# Altium PCB Roborboard_v0.1.PcbDoc
Units mil, origin at the board's own origin, x right, y up, seen from the top; angles counter-clockwise.
Board outline 2175 x 1437.48 mil, 2 copper layers (Top Layer, Bottom Layer); 44 components, 56 nets, 220 pads, 74 vias.
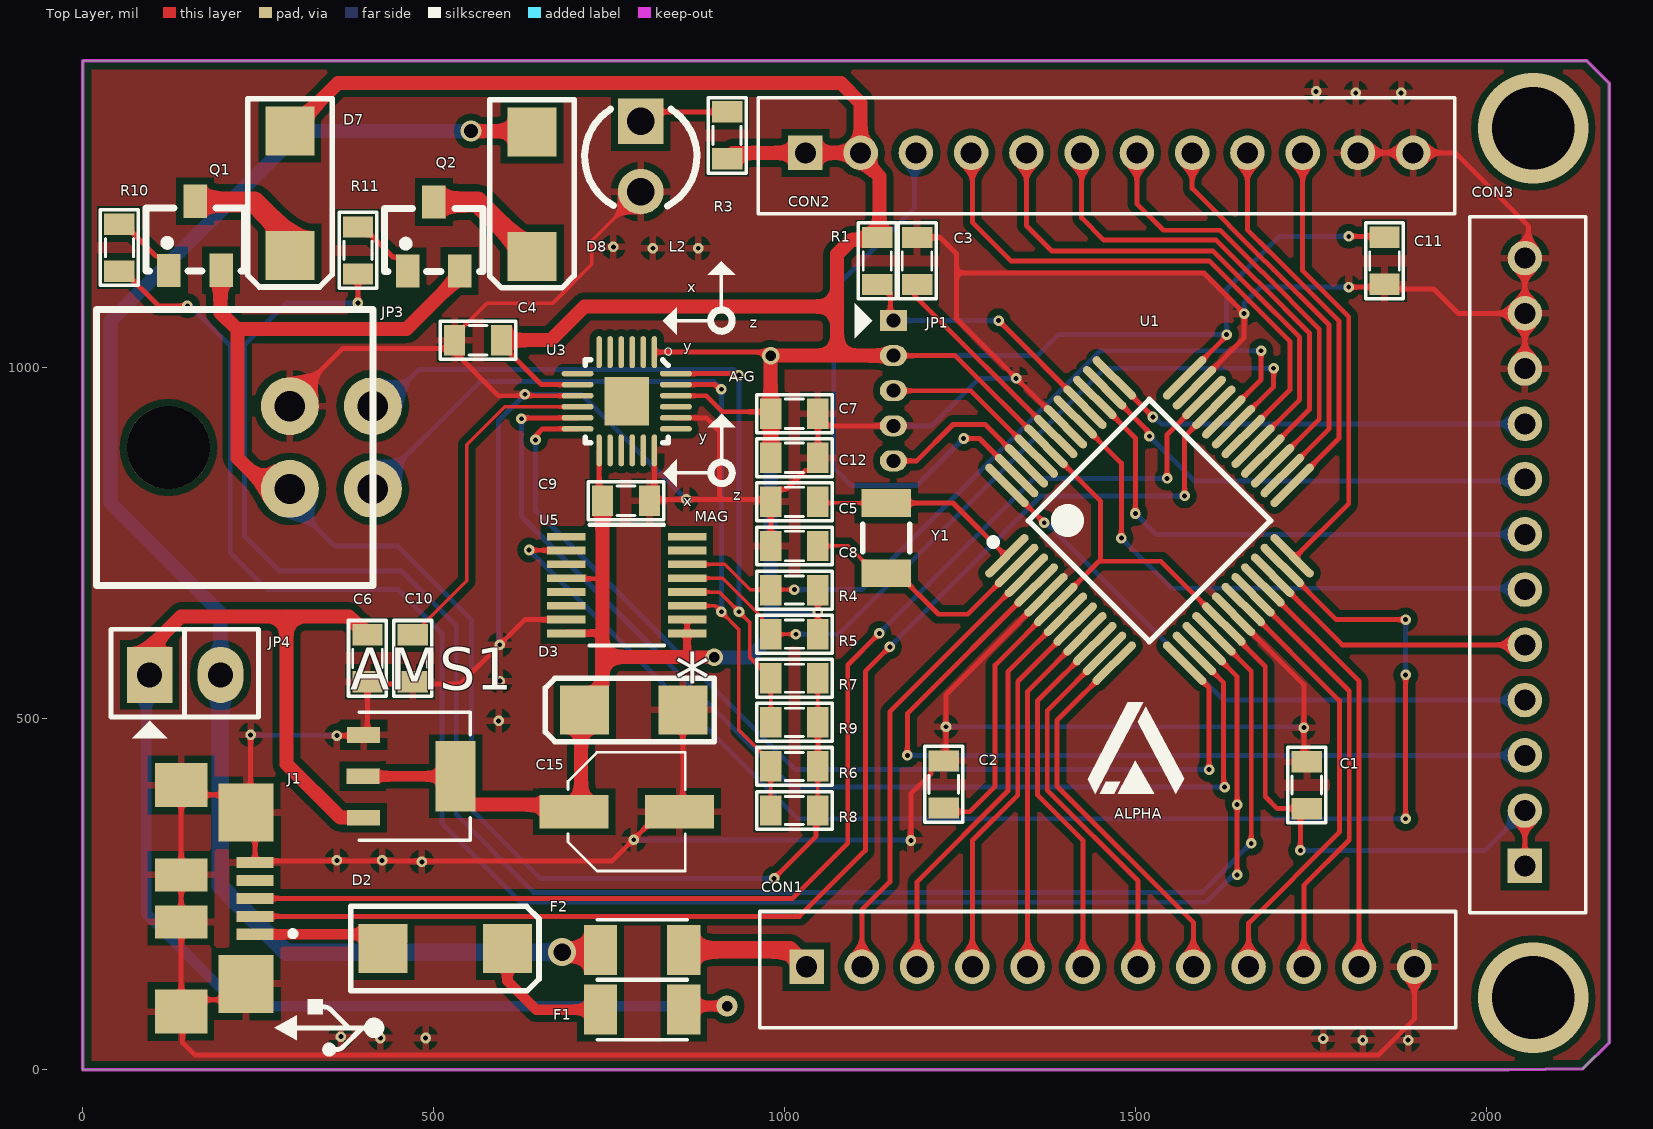
[diagram p0: Top Layer view]
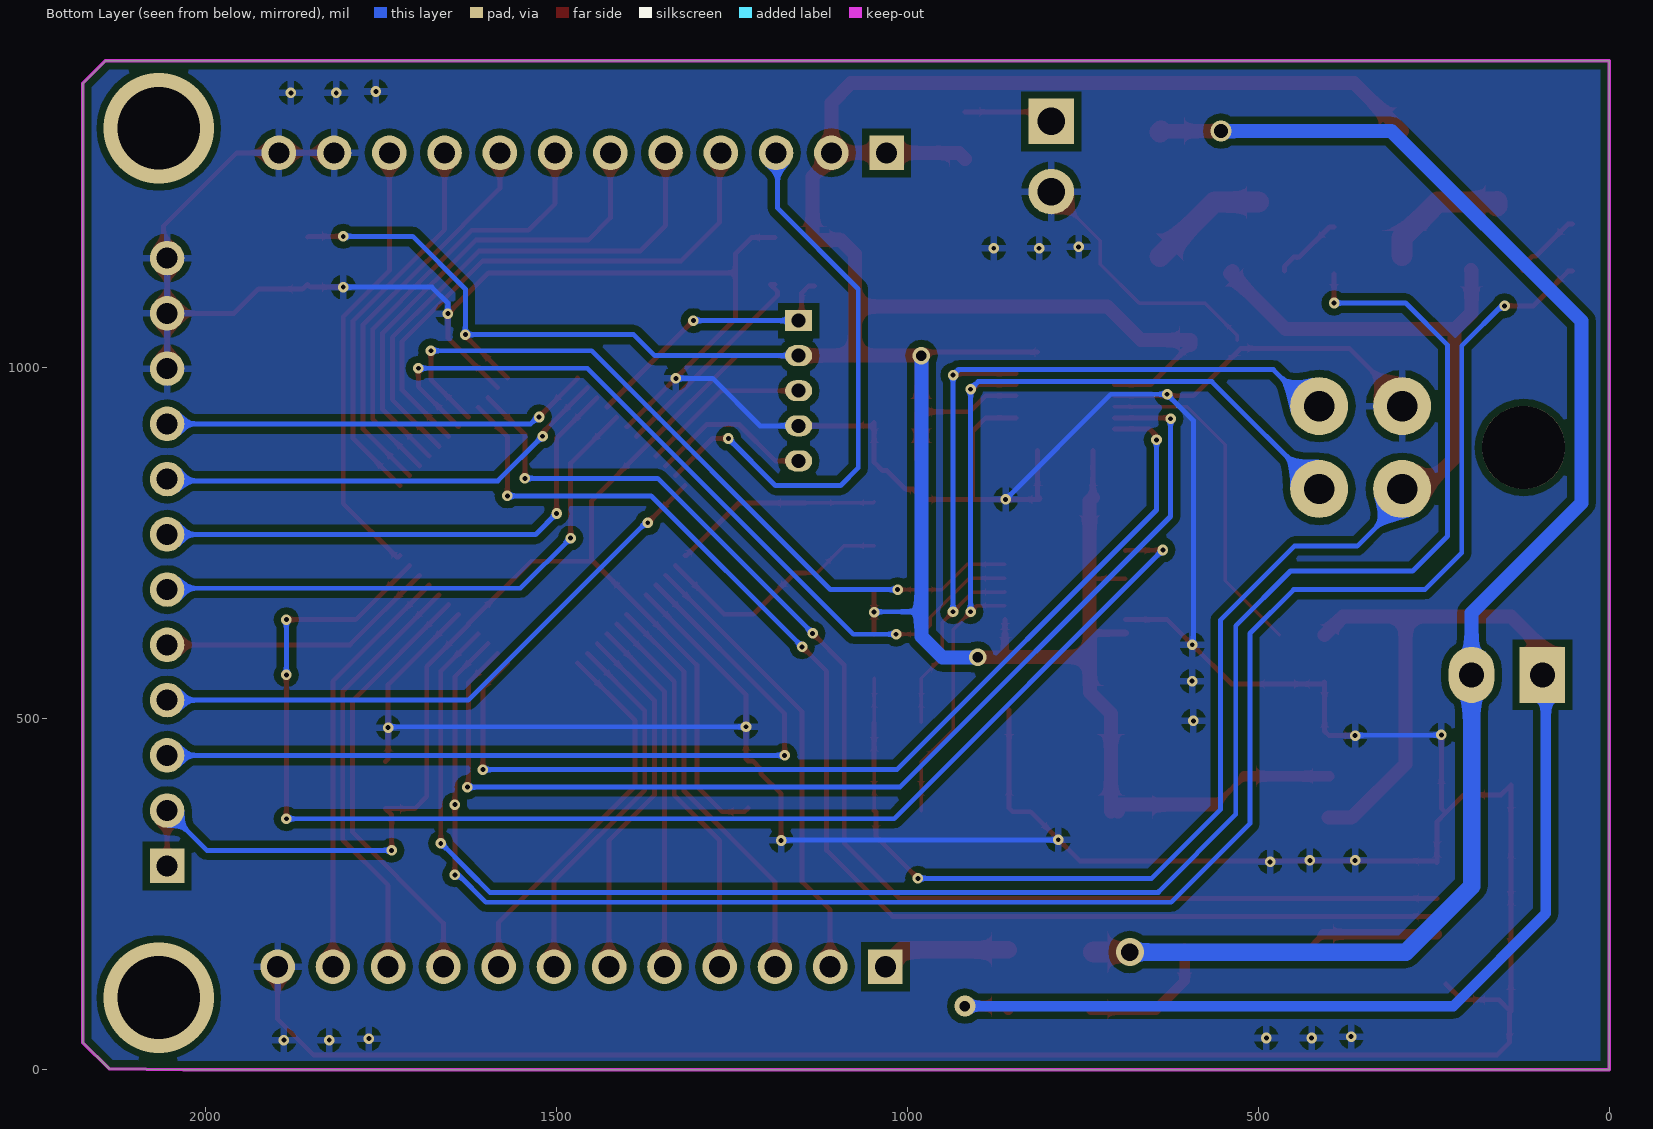
[diagram p1: Bottom Layer view, seen from below]
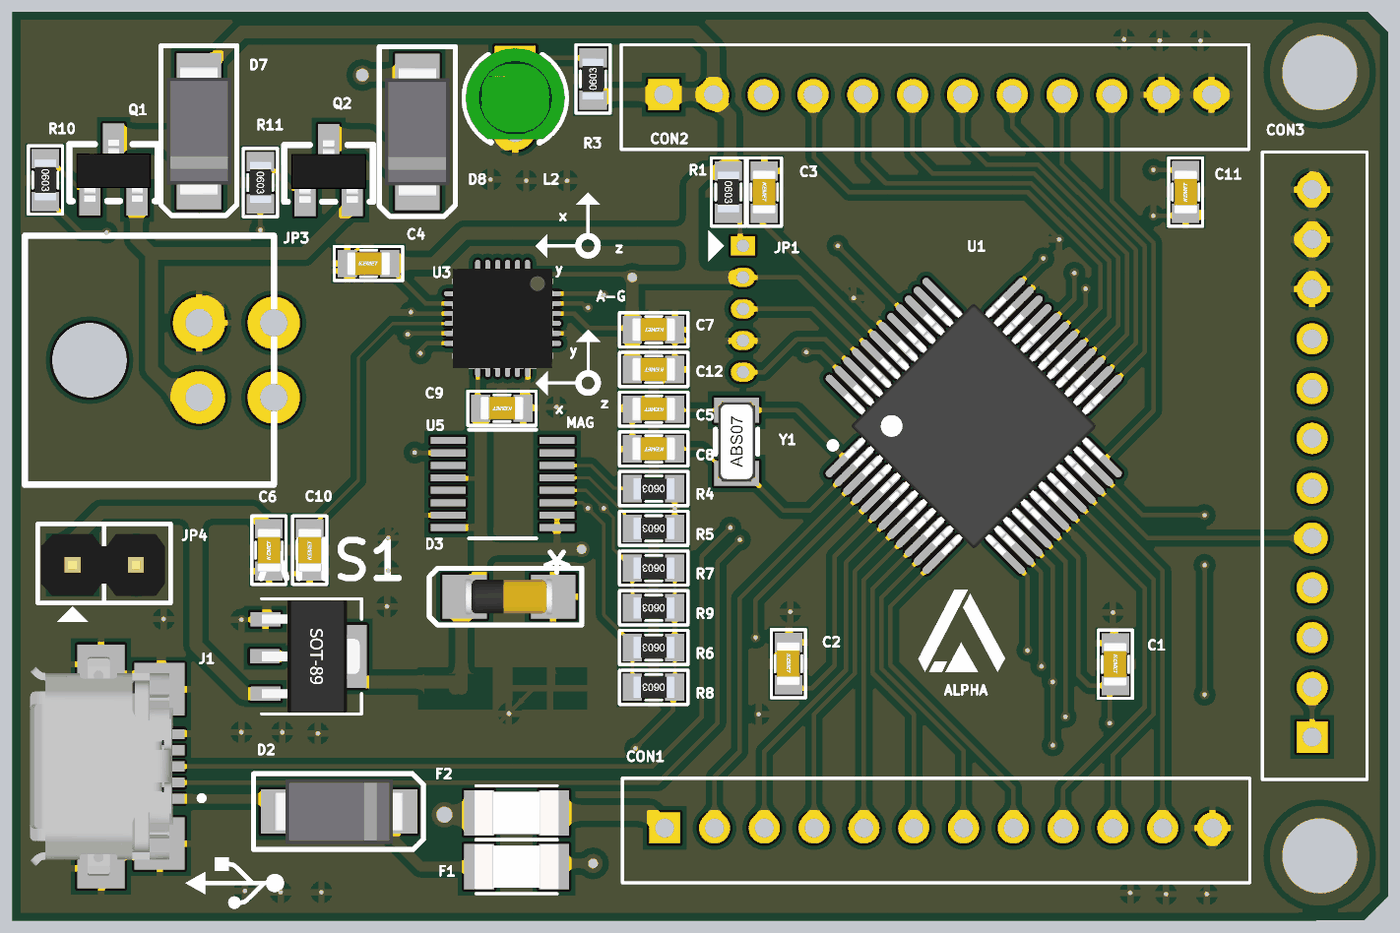
[diagram p2: 3D render of the assembled board from above, using the file's embedded part models]

## Layer stack, top to bottom
Top Solder: solder mask 0.4, Solder Resist, Dk 3.5
Top Layer: signal copper 1.4
Dielectric 1: dielectric 12.6, FR-4, Dk 4.8
Bottom Layer: signal copper 1.4
Bottom Solder: solder mask 0.4, Solder Resist, Dk 3.5

## Board outline
0,0 0,62.48 0,1437.48 2143,1437.48 2175,1405.48 2175,38.48 2137.6,1.09 2032.26,0

## Design rules (kind name [scope] priority, off if disabled: settings)
Clearance [All] p1: gap=7 ignorepadtopadclearanceinfootprint=FALSE except(0: Arc-Hole Track-Hole SMDPad-Hole THPad-Hole Via-Hole Fill-Hole Poly-Hole Region-Hole Text-Hole; 10: Arc-Poly Track-Poly SMDPad-Poly THPad-Poly Via-Poly Fill-Poly Poly-Poly Poly-Region Poly-Text)
PolygonConnect [All] p1: connectstyle=Relief reliefconductorwidth=10 reliefentries=4 polygonreliefangle="90 Angle" airgapwidth=10
RoutingVias [All] p1: holewidth=7 width=15 viastyle="Through Hole" minholewidth=7 minwidth=15 maxholewidth=28 maxwidth=50
SolderMaskExpansion [All] p1: expansion=4 istentingtop=FALSE
Width [All] p1: maxlimit=30 minlimit=5 preferedwidth=7
30 further rules are at their usual default settings.

## Components (designator, comment, footprint, x,y, rotation, side; value= is the part's Value field where it differs from the comment)
AMS1 "AMS1117" SOT89 477,413 r270 top
C1 "0.1uF" CAP_SMD0603 1741.99,406.54 r270 top
C2 "0.1uF" CAP_SMD0603 1225,407.48 r270 top
C3 "0.1uF" CAP_SMD0603 1186.79,1153.54 r270 top
C4 "0.1uF" CAP_SMD0603 562,1037.48 r0 top
C5 "15pF" CAP_SMD0603 1015,811.02 r180 top
C6 "0.1uF" CAP_SMD0603 407.48,585 r90 top
C7 "0.1uF" CAP_SMD0603 1015,936.7 r180 top
C8 "15pF" CAP_SMD0603 1015,748.19 r180 top
C9 "0.1uF" CAP_SMD0603 775,812.48 r180 top
C10 "0.1uF" CAP_SMD0603 472,585 r90 top
C11 "0.1uF" CAP_SMD0603 1856.99,1151.54 r90 top
C12 "0.1uF" CAP_SMD0603 1015,873.86 r180 top
C15 "10uf" CAP_SMD_4X4.5 1335,-1041.45 r90 top
CON1 "I_O" JUMPER_12P_2.0MM 1031.3,146.54 r90 top
CON2 "I_O" JUMPER_12P_2.0MM 1029.65,1306.54 r90 top
CON3 "I_O" JUMPER_12P_2.0MM 2055,290.32 r180 top
D2 "1N4007" ? 516.42,172.48 r0 top
D3 "Z3.3" DIODE_ZENER_SMD 785,512.48 r180 top
D7 "DIODE" ? 295,1248.84 r270 top
D8 "DIODE" ? 640,1247.48 r270 top
F1 "6V/0.5A" 1206 797,85.48 r0 top
F2 "6V/0.5A" 1206 797,170.48 r0 top
J1 "USB_MICROB_PLUGCONN-11752" USB_MICRO_XZ42R 139.37,404.34 r0 top
JP1 "SWD" JUMP_5P_1.27MM 1155,1067.48 r270 top
JP3 "I2C" C3030WR-2X2P 234.45,886.54 r270 top
JP4 "5VEx" JUMP_2P 95,562.48 r0 top
L2 "Red" LED_GREEN_3MM 795,1301.28 r270 top
Q1 "Tranzitor NPN" SOT23 165,1183.19 r0 top
Q2 "Tranzitor NPN" SOT23 505,1182.11 r0 top
R1 "10k" RES_SMD0603 1130,1153.54 r270 top
R3 "1k" RES_SMD0603 920,1330.28 r90 top
R4 "10k" RES_SMD0603 1015,685.35 r180 top
R5 "10k" RES_SMD0603 1015,622.51 r180 top
R6 "10k" RES_SMD0603 1015,434 r180 top
R7 "10k" RES_SMD0603 1015,559.68 r180 top
R8 "10k" RES_SMD0603 1015,371.17 r180 top
R9 "10k" RES_SMD0603 1015,496.84 r180 top
R10 "1k" RES_SMD0603 50,1172.48 r270 top
R11 "1k" RES_SMD0603 390,1168.48 r270 top
U1 "ATSAMD21G-A" "LQFP 48" 1520,782.48 r45 top locked
U3 "MPU-9250" QFN-24 776,951.48 r270 top locked
U5 "LTC4312" MSOP-16 775,690.55 r180 top locked
Y1 "32.768kHz" CRYSTAL-SMD3.2X1.5MM 1145,757.48 r90 top

## Footprints (in the part's own frame and the unit in brackets; to place one, negate y for a bottom-side part, rotate by r counter-clockwise, add the part's x,y. Pads: shape width x height; smd on the part's side, far side on the other; paste and mask are expansions set on the pad)
1206 [mm]
  rect 1.2x1.82 smd: 1(-1.505,0) 2(1.505,0)
  silkscreen extent -1.63,-1.09 1.63,1.09, body extent -1.7,-0.9 1.7,0.9, height 1.17
C3030WR-2X2P [mm]
  round 2.1 hole 1.1: 1(1.5,1.538) 2(1.5,4.538) 3(-1.5,1.538) 4(-1.5,4.538)
  round 3 hole 3 unplated: ""(0,-2.862)
  silkscreen extent -5,-5.46 5,4.54, body extent -4.92,-6.47 4.92,4.91, height 7.68
CAP_SMD0603 [mm]
  rect 0.771x1.1 smd: 1(-0.822,0.051) 2(0.879,0.051)
  silkscreen extent -1.35,-0.64 1.4,0.74, body extent -0.85,-0.43 0.9,0.52, height 0.88
CAP_SMD_4X4.5 [mm]
  rect 1.2x2.5 smd: 1(35.787,16.129) 2(35.787,12.319)
  silkscreen extent 33.64,12.1 37.94,16.4, body extent 33.64,11.75 37.94,16.75, height 5.4
CRYSTAL-SMD3.2X1.5MM [mm]
  rect 1x1.8 smd: 1(-1.27,0) 2(1.27,0)
  silkscreen extent -0.5,-0.85 0.5,0.85, body extent -1.61,-0.76 1.61,0.76, height 0.91
DIODE_ZENER_SMD [mil]
  rect 70x70 smd: 1(-70,0) 2(70,0)
  silkscreen extent -115,-45 126,45, body extent -69,-29 69,29, height 57
JUMP_2P [mil]
  rect 65x80 hole 36: 1(0,0)
  oval 65x80 hole 36: 2(101,0)
  silkscreen extent -55,-90 155,65, body extent -50,-49 146,49, height 323
JUMP_5P_1.27MM [mil]
  rect 30x38.42 hole 20: 1(0,0)
  oval 30x38.42 hole 20: 2(50,0) 3(100,0) 4(150,0) 5(200,0)
  silkscreen extent -25,-55 25,-30, body extent -27,-39 223,55, height 433
JUMPER_12P_2.0MM [mm]
  rect 1.25x1.25 hole 0.762: 1(0,0)
  round 1.25 hole 0.762: 2(0,-2) 3(0,-4) 4(0,-6) 5(0,-8) 6(0,-10) 7(0,-12) 8(0,-14) 9(0,-16) 10(0,-18) 11(0,-20) 12(0,-22)
  silkscreen extent -2.2,-23.5 2,1.7, body extent -1,-23 1.4,1, height 11
LED_GREEN_3MM [mil]
  rect 65x65 hole 39.37: 1(-50,0)
  round 65 hole 39.37: 2(50,0)
  silkscreen extent -67,-80 70,80, body extent -79,-79 66,79, height 182
"LQFP 48" [mm] "LQFP, 48-Leads, Body 7,00x7,00mm, Pitch 0,50mm, IPC Medium Density"
  oval 2.1x0.3 smd: 1(-4.55,2.75) 2(-4.55,2.25) 3(-4.55,1.75) 4(-4.55,1.25) 5(-4.55,0.75) 6(-4.55,0.25) 7(-4.55,-0.25) 8(-4.55,-0.75) 9(-4.55,-1.25) 10(-4.55,-1.75) 11(-4.55,-2.25) 12(-4.55,-2.75) 25(4.55,-2.75) 26(4.55,-2.25) 27(4.55,-1.75) 28(4.55,-1.25) 29(4.55,-0.75) 30(4.55,-0.25) 31(4.55,0.25) 32(4.55,0.75) 33(4.55,1.25) 34(4.55,1.75) 35(4.55,2.25) 36(4.55,2.75)
  oval 0.3x2.1 smd: 13(-2.75,-4.55) 14(-2.25,-4.55) 15(-1.75,-4.55) 16(-1.25,-4.55) 17(-0.75,-4.55) 18(-0.25,-4.55) 19(0.25,-4.55) 20(0.75,-4.55) 21(1.25,-4.55) 22(1.75,-4.55) 23(2.25,-4.55) 24(2.75,-4.55) 37(2.75,4.55) 38(2.25,4.55) 39(1.75,4.55) 40(1.25,4.55) 41(0.75,4.55) 42(0.25,4.55) 43(-0.25,4.55) 44(-0.75,4.55) 45(-1.25,4.55) 46(-1.75,4.55) 47(-2.25,4.55) 48(-2.75,4.55)
  silkscreen extent -4.67,-3.1 3.1,3.57, body extent -4.5,-4.5 4.5,4.5, height 1.6
MSOP-16 [mil]
  rect 55x11 smd: 1(-86,68.95) 2(-86,49.25) 3(-86,29.55) 4(-86,9.85) 5(-86,-9.85) 6(-86,-29.55) 7(-86,-49.25) 8(-86,-68.95) 9(86,-68.95) 10(86,-49.25) 11(86,-29.55) 12(86,-9.85) 13(86,9.85) 14(86,29.55) 15(86,49.25) 16(86,68.95)
  silkscreen extent -53,-86 53,86
QFN-24 [mm]
  oval 1.157x0.2 smd: 1(-1.804,0.975) 2(-1.804,0.575) 3(-1.804,0.175) 4(-1.804,-0.225) 5(-1.804,-0.625) 6(-1.804,-1.025) 13(1.753,-1.025) 14(1.753,-0.625) 15(1.753,-0.225) 16(1.753,0.175) 17(1.753,0.575) 18(1.753,0.975)
  oval 0.2x1.157 smd: 7(-1.025,-1.804) 8(-0.625,-1.804) 9(-0.225,-1.804) 10(0.175,-1.804) 11(0.575,-1.804) 12(0.975,-1.804) 19(0.975,1.753) 20(0.575,1.753) 21(0.175,1.753) 22(-0.225,1.753) 23(-0.625,1.753) 24(-1.025,1.753)
  rect 1.75x1.6 smd: 25(-0.025,-0.025)
  silkscreen extent -1.95,-1.53 1.47,1.6, body extent -2.04,-2.04 1.98,1.98, height 1
RES_SMD0603 [mm]
  rect 0.771x1.1 smd: 1(-0.822,0.051) 2(0.879,0.051)
  silkscreen extent -1.35,-0.64 1.4,0.74, body extent -0.8,-0.37 0.84,0.48, height 0.46
SOT23 [mm]
  rect 0.85x1.2 smd: 1(-1.077,-1.123) 2(0.813,-1.118) 3(-0.127,1.377)
  silkscreen extent -1.91,-1.14 1.65,1.14, body extent -1.63,-1.17 1.37,1.33, height 1.06
SOT89 [mil]
  rect 22.46x47.24 smd: 1(-64,-77) 2(-5,-78) 3(54,-77)
  rect 100x57.24 smd: 2(-5,54.21)
  silkscreen extent -96,-83 86,75, body extent -94,-83 84,72, height 56
USB_MICRO_XZ42R [mm]
  rect 1.35x0.4 smd: D+(2.691,-4.072) D-(2.691,-4.722) GND(2.691,-2.772) ID(2.691,-3.422) VBUS(2.691,-5.372)
  rect 1.9x1.6 smd: S(0.016,-8.172) S(0.016,0.028)
  rect 1.9x1.2 smd: S(0.016,-4.922) S(0.016,-3.222)
  rect 2x2.1 smd: S(2.366,-7.172) S(2.366,-0.972)
  silkscreen extent 3.96,-5.45 4.16,-5.25, body extent -2.83,-8.47 2.9,0.33, height 2.77
? [mil]
  rect 70x70 smd: 1(-88.58,0) 2(88.58,0)
  silkscreen extent -135,-60 134,60, body extent -102,-51 102,51, height 95

## Part data
C1 C2 C3 C4 C5 C6 C7 C8 C9 C10 C11 C12: library part Cap
C15: library part Cap_Pol
CON1 CON2 CON3: library part "Connector 12p"
D2: library part DIODE
D3: library part DIODE_ZENER, "Diode"
F1 F2: library part Fuse
J1: library part USB_MICRO, "USB Micro-B connectorsSome male, some female. Watch your step!", D+=D+, D-=D-, DeviceName=CONN-11752, DeviceSetName=USB_MICROB_PLUG, GateName_1=G$1, GND=GND, ID=ID, LibraryName=SparkFun-Connectors, PROD_ID=CONN-11752, SHIELD=SHIELD, SymbolName_1=MICROB-PLUG, VCC=VCC
JP3: library part "Connector 4p"
JP4: library part "Connector 2p"
L2: library part LED, "Lighting Eminter Diode"
R1 R3 R4 R5 R6 R7 R8 R9 R10 R11: library part Resistor
U1: "Atmel SAMD21G SMART ARM-Based Microcontroller    The Atmel Â®", DeviceName=-A, DeviceSetName=ATSAMD21G, GateName_1=G$1, LibraryName=SparkFun-IC-Microcontroller, PROD_ID=IC-13064, SymbolName_1=ATSAMD21G
U3: "9-axis MotionTracking: 3-Axis gyroscope, 3-Axis accelerometer, 3-Axis magnetometer NC pin 19. 2-6 & 14-17 not internally connected. May be used for PCB trace routing.", LibraryName=9dof-devboard-temp, PROD_ID=IC-13192, SymbolName_1=MPU-9250
Y1: library part Crystal

## Via types
v1: diameter 15, hole 7, Top Layer to Bottom Layer, tented both sides, 67 vias
v2: diameter 157.48, hole 118.11, Top Layer to Bottom Layer, 2 vias
v3: diameter 25, hole 15, Top Layer to Bottom Layer, tented both sides, 2 vias
v4: diameter 40, hole 25, Top Layer to Bottom Layer, tented both sides, 1 vias
v5: diameter 30, hole 15, Top Layer to Bottom Layer, tented both sides, 1 vias
v6: diameter 30, hole 20, Top Layer to Bottom Layer, tented both sides, 1 vias

## Nets (pads, with @x,y where several pads share a name; then routed paths per layer and width w, separated by ;. In a path a pad name is that pad's centre, name@x,y a point inside that pad or via, vN(x,y) a via of type N, cw(c..) or ccw(c..) an arc to the next point about the centre after c; other vN are vias at no path point)
+3.3VDC: AMS1.2 C1.2 C2.2 C4.2 C7.2 C9.2 C11.2 C12.2 C15.1 CON2.1 CON2.2 CON3.1 CON3.2 D3.2 D7.1 JP1.2 R1.1 R3.1 R4.1 R5.1 U1.6 U1.17 U1.36 U1.44 U3.1 U3.8 U3.13 U3.22 U5.1 U5.2 U5.12 U5.16 | length 7400.6
  Top Layer w5: U5.16 U5.16@689.37,621.98 ; U5.1@860.63,621.98 U5.1@861,622.35
  Top Layer w7: AMS1.2@520.08,418 560.6,377.48 ; C4.2@596.63,1033.01 653.53,976.1 U3.8 ; U5.12@689.9,699.5 736.27,699.5 ; C9.2@735.63,815.23 U3.13 ; U3.1 v3@980,1022.48 ; U3.22 888.11,960.36 910.99,937.48 C7.2@977.59,937.48 ; U5.1@861,622.35 U5.2 ; R5.1 v1(1047.37,651.94) R4.1 ; JP1.2 1243.24,1017.48 U1.44 1450,810.72 1450,724.44 1536.28,724.44 U1.17 1625.79,633.63 1685,574.42 1685,389.17 1702.26,371.91 C1.2 1735,362.92 v1(1735,312.48) ; C2.2 1232.37,367.48 1263.79,367.48 1300,403.69 1300,576.4 U1.6 1448.04,724.44 ; U1.36 1630,1045.6 v1(1630,1047.48) ; v1(1804,1187.48) 1853.68,1187.48 C11.2 ; CON3.1 CON3.2
  Top Layer w10: U5.16@689.37,621.98 740.37,621.98 ; 861,588.06 U5.1
  Top Layer w15: AMS1.2@399,418 AMS1.2@520.08,418
  Top Layer w20: D7.1 363.35,1405.78 1080.1,1405.78 1108.39,1377.48 CON2.2 ; 560.6,377.48 C15.1@710,377.48 ; C4.2@596.63,1033.01 C4.2 666.99,1039.48 715,1087.48 1075,1087.48 ; C15.1 C15.1@710,377.48 ; C15.1@710,367.48 C15.1@710,377.48 ; C9.2@735.63,815.23 C9.2 740.37,621.98 740,621.6 740,588.06 ; v3@895.87,587.48 861,588.06 740,588.06 ; R3.1 926.64,1306.54 CON2.1 CON2.2 ; C12.2 C7.2 977.59,937.48 980,939.89 v3(980,1017.48) 1075,1017.48 ; JP1.2 1075,1017.48 ; C15.1@710,377.48 710,507.48 D3.2 740,537.48 740,588.06 ; 1075,1017.48 1075,1087.48 ; 1075,1087.48 1075,1162.48 1095,1182.48 1128.56,1182.48 R1.1 1135,1188.92 1135,1272.48 1108.39,1299.09 CON2.2
  Bottom Layer w7: 980,652.48 1046.83,652.48 v1(1047.37,651.94) ; JP1.2 1360,1017.48 1390,1047.48 v1(1630,1047.48) 1630,1112.48 1705,1187.48 v1(1804,1187.48) ; v1(1735,312.48) 1998.43,312.48 CON3.2
  Bottom Layer w20: v3(900,587.48) 950,587.48 980,617.48 980,652.48 v3(980,1017.48)
+5VDC: D8.1 F2.1 JP4.2 | length 2165.1
  Top Layer w20: v6(553.11,1337.48) D8.1@638.58,1337.48 ; F2.1@734.75,167.48 F2.1
  Top Layer w30: D8.1@638.58,1337.48 D8.1 ; v4(683,167.48) F2.1@734.75,167.48
  Bottom Layer w20: JP4.2 196,650.98 39.5,807.48 39.5,1066.57 310.41,1337.48 v6(553.11,1337.48)
  Bottom Layer w25: JP4.2 196,261.48 290,167.48 v4(683,167.48)
NetC5_1: C5.1 U1.1 Y1.2 | length 301.2
  Top Layer w5: C5.1 1048.92,807.48 Y1.2
  Top Layer w7: Y1.2 1240,807.48 1315.11,732.37 U1.1
NetC8_1: C8.1 U1.2 Y1.1 | length 352.5
  Top Layer w5: C8.1 1090.54,746.19 1129.25,707.48 Y1.1
  Top Layer w7: Y1.1 1160.75,707.48 1219.37,648.86 1261.1,648.86 U1.2
NetCON1_1: CON1.1 F2.2 | length 185
  Top Layer w25: F2.2 1007.35,170.48 CON1.1
NetCON1_2: CON1.2 U1.3 | length 655.2
  Top Layer w7: CON1.2 1110.04,227.52 1150,267.48 1150,509.92 U1.3
NetCON1_3: CON1.3 U1.7 | length 589.9
  Top Layer w7: CON1.3 1188.78,267.54 1318.26,397.02 1318.26,566.82 U1.7
NetCON1_4: CON1.4 U1.8 | length 549.2
  Top Layer w7: CON1.4 1267.52,326.48 1332.26,391.22 1332.26,552.98 U1.8
NetCON1_5: CON1.5 U1.9 | length 508.4
  Top Layer w7: CON1.5 1346.26,539.14 U1.9
NetCON1_6: CON1.6 U1.10 | length 521.3
  Top Layer w7: CON1.6 1425,326.69 1360.26,391.43 1360.26,525.31 U1.10
NetCON1_7: CON1.7 U1.11 | length 534.1
  Top Layer w7: U1.11 1374.26,511.47 1374.26,398.22 1503.74,268.74 CON1.7
NetCON1_8: CON1.8 U1.12 | length 547
  Top Layer w7: U1.12 1388.26,497.63 1388.26,404.02 1582.48,209.8 CON1.8
NetCON1_9: CON1.9 U1.19 | length 626.6
  Top Layer w7: U1.19 1790.7,525.7 1790.7,338.18 1661.22,208.7 CON1.9
NetCON1_10: CON1.10 U1.20 | length 613.8
  Top Layer w7: U1.20 1804.7,539.54 1804.7,327.22 1739.96,262.48 CON1.10
NetCON1_11: CON1.11 U1.21 | length 600.9
  Top Layer w7: U1.21 1818.7,553.38 CON1.11
NetCON2_3: CON2.3 U1.47 | length 818.2
  Top Layer w7: v1(1255,899.37) 1277.84,899.37 U1.47
  Bottom Layer w7: CON2.3 1185,1304.4 1185,1227.48 1070,1112.48 1070,857.48 1095,832.48 1188.11,832.48 v1(1255,899.37)
NetCON2_4: CON2.4 U1.30 | length 785
  Top Layer w7: CON2.4@1267.52,1306.54 1267.52,1207.48 1322.52,1152.48 1605,1152.48 1662,1095.48 1662.46,1095.48 1720,1037.94 1720,968.56 U1.30
NetCON2_5: CON2.5 U1.29 | length 742
  Top Layer w7: CON2.5 1344.62,1202.87 1381,1166.48 1610.8,1166.48 1667.8,1109.48 1668.25,1109.48 1734,1043.74 1734,954.72 U1.29
NetCON2_6: CON2.6 U1.28 | length 688.2
  Top Layer w7: CON2.6 1423.36,1213.75 1455,1182.11 1614.97,1182.11 1673.6,1123.48 1674.05,1123.48 1748,1049.54 1748,940.88 U1.28
NetCON2_7: CON2.7 U1.27 | length 628.9
  Top Layer w7: CON2.7 1502.1,1234.01 1540,1196.11 1620.77,1196.11 1679.4,1137.48 1679.85,1137.48 1762,1055.33 1762,927.05 U1.27
NetCON2_8: CON2.8 U1.26 | length 568.8
  Top Layer w7: CON2.8 1580.84,1255.84 1685.2,1151.48 1685.65,1151.48 1776,1061.13 1776,913.21 U1.26
NetCON2_9: CON2.9 U1.25 | length 555.9
  Top Layer w7: CON2.9 1659.58,1196.9 1690.99,1165.48 1691.45,1165.48 1790,1066.93 1790,899.37 U1.25
NetCON2_10: CON2.10 U1.24 | length 640.2
  Top Layer w7: U1.24 1724.99,730.61 1728.13,730.61 1804,806.48 1804,1072.73 1738.32,1138.41 CON2.10
NetCON3_3: CON3.3 U1.4 | length 1199
  Top Layer w7: v1(1175,447.8) 1175,507.28 1358.33,690.61 U1.4
  Bottom Layer w7: v1(1175,447.8) CON3.3
NetCON3_4: CON3.4 U1.48 | length 865
  Top Layer w7: U1.48 v1(1370,779.37)
  Bottom Layer w7: v1(1370,779.37) 1373.11,779.37 1625.94,526.54 CON3.4
NetCON3_5: CON3.5 U1.22 | length 400.7
  Top Layer w7: U1.22 1794.64,605.28 CON3.5
NetCON3_6: CON3.6 U1.41 | length 805.2
  Top Layer w7: U1.41 1480,864.24 v1(1480,757.48)
  Bottom Layer w7: v1(1480,757.48) 1551.53,685.95 2053.07,685.95 CON3.6
NetCON3_7: CON3.7 U1.39 | length 756.8
  Top Layer w7: U1.39 1500,899.92 v1(1500,792.48)
  Bottom Layer w7: v1(1500,792.48) 1529.86,762.62 2054.86,762.62 CON3.7
NetCON3_8: CON3.8 U1.38 | length 658.1
  Top Layer w7: U1.38 1520,907.76 v1(1520,902.62)
  Bottom Layer w7: v1(1520,902.62) 1583.61,839.01 2052.51,839.01 CON3.8
NetCON3_9: CON3.9 U1.37 | length 612.6
  Top Layer w7: U1.37 1469.89,985.14 v1(1525,930.03)
  Bottom Layer w7: v1(1525,930.03) 1527.16,930.03 1536.95,920.24 CON3.9
NetD2_1: D2.1 J1.VBUS | length 190.9
  Top Layer w7: D2.1@407.48,192.84 D2.1
  Top Layer w15: J1.VBUS D2.1@407.48,192.84
NetD2_2: D2.2 F1.1 | length 195.7
  Top Layer w15: D2.2 605,126.48 646,85.48 F1.1
NetD7_2: D7.2 Q1.3 | length 190.6
  Top Layer w30: Q1.3 160,1230.52 165.8,1236.32 244.17,1236.32 295,1185.49 D7.2
NetD8_2: D8.2 Q2.3 | length 172.1
  Top Layer w30: Q2.3 562.58,1236.32 D8.2
NetJ1_D+: J1.D+ U1.34 | length 1833.8
  Top Layer w7: J1.D+ 1011.53,244.02 1090,322.48 1090,576.6 v1(1135,621.6) ; v1(1545,842.48) 1545,904.92 U1.34
  Bottom Layer w7: v1(1135,621.6) 1355.88,842.48 v1(1545,842.48)
NetJ1_D-: J1.D- U1.33 | length 1866
  Top Layer w7: J1.D- 1020.94,218.43 1115,312.48 1115,567.48 v1(1150,602.48) ; v1(1570,817.48) 1570,902.08 U1.33
  Bottom Layer w7: v1(1150,602.48) 1365,817.48 v1(1570,817.48)
NetJP1_1: JP1.1 R1.2 U1.40 | length 391
  Top Layer w7: R1.2@1131.99,1116.91 1140.57,1116.91 1150.79,1106.69 1150.79,1067.48 JP1.1 ; v1(1305,1067.48) 1428.13,944.35 U1.40
  Bottom Layer w7: JP1.1 v1(1305,1067.48)
NetJP1_3: JP1.3 U1.45 | length 242.1
  Top Layer w7: JP1.3 1265.4,967.48 U1.45
NetJP1_5: JP1.5 U1.46 | length 235.5
  Top Layer w7: JP1.5 1188.13,867.48 1240,919.36 1285.69,919.36 U1.46
NetJP3_1: JP3.1 Q1.2 Q2.2 R6.1 R7.1 R8.1 R9.1 | length 2141.8
  Top Layer w5: R8.1 R6.1 ; R9.1 R7.1
  Top Layer w7: v1(985,272.48) 1045,332.48 1045,366.8 R8.1 ; R6.1 R9.1
  Top Layer w20: Q1.2 196,1138.19 196,1078.55 219.31,1055.23 220,1055.23 ; JP3.1 279.63,812.11 220,871.74 220,1055.23 ; Q2.2 540.44,1134.66 473.26,1067.48 461.01,1055.23 220,1055.23
  Bottom Layer w7: JP3.1 295,810 359,746 448.48,746 554,640.48 554,370.48 652,272.48 v1(985,272.48)
NetJP3_2: JP3.2 R6.2 R8.2 U3.23 U5.3 | length 1315.3
  Top Layer w5: U5.3 901.48,661 v1(910,652.48) 909.48,652.48 935,626.96 935,483.85 980.37,438.48 R6.2 R8.2
  Top Layer w7: U3.23 900.8,976.1 907.27,969.63 v1(909.98,969.63)
  Bottom Layer w7: JP3.2 566.11,980.48 899.12,980.48 v1(909.98,969.63) v1(910,652.48)
NetJP3_4: JP3.4 R7.2 R9.2 U3.24 U5.4 | length 1236.8
  Top Layer w5: U5.4 861.1,680.61 906.87,680.61 v1(935,652.48) 950,637.48 950,588.06 R7.2 R9.2 ; v1@932.75,991.85 v1(934.98,989.63)
  Top Layer w7: U3.24 v1@932.75,991.85
  Bottom Layer w7: JP3.4 426.59,945.59 478.48,997.48 927.12,997.48 v1(934.98,989.63) v1(935,652.48)
NetL2_1: L2.1 R3.2 | length 131.5
  Top Layer w7: L2.1@793,1374.9 L2.1@795,1372.9 ; L2.1 808.63,1364.9 R3.2
NetQ1_1: Q1.1 R10.1 | length 101.9
  Top Layer w7: R10.1 58.46,1204.86 104.21,1159.1 109.37,1159.1 122.6,1145.87 Q1.1
NetQ2_1: Q2.1 R11.1 | length 100.7
  Top Layer w7: R11.1 398.46,1200.86 441.3,1158.02 449.37,1158.02 462.6,1144.78 Q2.1
NetR4_2: R4.2 U1.32 U5.6 | length 1091
  Top Layer w5: U5.6 914.91,720.1 951,684.02 979.71,684.02 R4.2 981.04,684.02 v1(1014,684.02)
  Top Layer w7: U1.32 1679,983.24 v1(1679,1024.48)
  Bottom Layer w7: v1(1014,684.02) 1109.54,684.02 1450,1024.48 v1(1679,1024.48)
NetR5_2: R5.2 U1.31 U5.5 | length 1140
  Top Layer w5: U5.5 912.08,700.4 967.69,644.79 967.69,633.2 R5.2 980.45,620.44 v1(1016,620.44)
  Top Layer w7: U1.31 1697,973.4 v1(1697,999.48)
  Bottom Layer w7: v1(1016,620.44) 1076.96,620.44 1456,999.48 v1(1697,999.48)
NetR10_2: R10.2 U1.15 | length 2668
  Top Layer w7: R10.2 58.31,1137.86 107.69,1088.48 v1(149,1088.48) ; U1.15 1645,560.05 v1(1645,377.48) v1(1645,277.48)
  Bottom Layer w7: v1(149,1088.48) 149,1092.48 210,1031.48 210,736.48 262.46,684.02 449.46,684.02 512,621.48 512,350.48 624,238.48 1600.8,238.48 1639.8,277.48 v1(1645,277.48)
NetR11_2: R11.2 U1.16 | length 2653.6
  Top Layer w7: v1(391.99,1092.48) R11.2 ; U1.16 1665,567.88 v1(1665,322.48)
  Bottom Layer w7: v1(391.99,1092.48) 290,1092.48 230,1032.48 230,760.48 280,710.48 454,710.48 532,632.48 532,363.68 642,253.68 642,252.48 1595,252.48 1627,284.48 1627,284.94 1664.54,322.48 v1(1665,322.48)
NetU1_13: U1.13 U3.12 | length 1449.3
  Top Layer w7: v1(645,897.48) 645,903.14 654.98,913.11 U3.12 ; U1.13 1605,544.37 v1(1605,427.48)
  Bottom Layer w7: v1(645,897.48) 644.98,797.53 1015.02,427.48 v1(1605,427.48)
NetU1_14: U1.14 U3.11 | length 1584.1
  Top Layer w7: v1@630.45,928.86 U3.11 ; U1.14 1625.79,551.42 1625.79,403.69 v1(1627,402.48)
  Bottom Layer w7: v1(625,927.48) 625,788.18 1010.7,402.48 v1(1627,402.48)
NetU1_23: U1.23 U5.10 | length 1952.4
  Top Layer w7: v1(636,740.48) 636.34,740.14 688.66,740.14 U5.10 ; U1.23 1786.45,641.3 v1(1885,641.3) ; v1(1885,357.48) v1(1885,562.48)
  Bottom Layer w7: v1(636,740.48) 1019,357.48 v1(1885,357.48) ; v1(1885,562.48) v1(1885,641.3)
PGND: AMS1.1 C1.1 C2.1 C3.1 C4.1 C5.2 C6.1 C7.1 C8.2 C9.1 C10.1 C11.1 C12.1 C15.2 CON1.12 CON2.11 CON2.12 CON3.10 CON3.11 CON3.12 D3.1 J1.GND J1.S JP1.4 JP3.3 L2.2 U1.5 U1.18 U1.35 U1.42 U3.9 U3.18 U3.20 U5.15 | length 9907.8
  Top Layer w5: C4.1 529.63,1045.94 576.08,1092.4 669.92,1092.4 725,1147.48 725,1181.28 L2.2
  Top Layer w7: J1.S@232.52,121.97 210.03,99.48 156.88,99.48 J1.S@140,82.6 ; v1(239,477) 239,372.54 J1.S@232.52,366.06 ; JP3.3 295,952.48 370.45,1027.93 524.55,1027.93 592.13,960.36 U3.9 ; v1(362,476) 399,476 AMS1.1 405.49,482.49 C6.1 408.66,549.45 537.97,549.45 v1(594,605.48) 629.82,641.3 U5.15 ; U3.18 814.37,817.48 810.87,813.99 812.38,812.48 v1(860,812.48) 911.37,812.48 ; U3.20 888.11,928.86 907.27,909.7 907.27,816.58 911.37,812.48 ; D3.1 855,372.48 C15.2 824.41,367.48 754.41,297.48 247.6,297.48 J1.GND 245.31,353.27 J1.S@232.52,366.06 ; C8.2 C5.2 ; JP1.4 1052.38,917.48 1047.37,922.48 C12.1 1047.37,865.4 1035.69,853.71 1029.22,853.71 1002.69,827.18 992.06,827.18 980.37,815.5 C5.2 ; v1(1180,326.48) 1180,392.86 1208.84,421.7 1208.84,428.17 1220.52,439.86 C2.1 1230,442.86 v1(1230,488.55) 1230,534.24 U1.5 ; C3.1 1221.57,1185.91 1245,1162.48 1245,1135.48 ; U1.42 1398.99,916.11 v1(1330,985.1) 1245,1070.1 1245,1135.48 ; U1.35 1655,1042.76 v1(1655,1077.48) 1597,1135.48 1245,1135.48 ; U1.18 1740,548.56 v1(1740,487.48) 1740,442.9 C1.1 ; v1(1804,1115.11) 1850.94,1115.11 C11.1 1861.68,1112.48 1925,1112.48 1959.76,1077.72 CON3.11 ; CON2.11 CON2.12 1955.94,1306.54 2060,1202.48 2060,1161.46 CON3.12 CON3.11 ; CON1.12 1897.44,71.92 1846,20.48 160,20.48 142,38.48 142,80.6 J1.S@140,82.6 ; CON3.10 CON3.11 ; J1.S@140,82.6 140,210.55 140,277.48 140,405.43 153.95,391.48 207.1,391.48 J1.S@232.52,366.06 ; 911.37,812.48 976.92,812.48 C5.2
  Bottom Layer w7: v1(239,477) 239.5,476.5 361.5,476.5 v1(362,476) ; v1(594,605.48) 592.5,606.98 592.5,924.98 v1(630,962.48) 710,962.48 v1(860,812.48) ; v1(785,327.48) 785.5,326.98 1179.5,326.98 v1(1180,326.48) ; JP1.4 1210,917.48 1277.62,985.1 v1(1330,985.1) ; v1(1230,488.55) 1738.93,488.55 v1(1740,487.48) ; v1(1655,1077.48) 1655,1092.48 1677.63,1115.11 v1(1804,1115.11)
  other v1: 1824,42 1888.51,42 1767.51,44 424,45 488.51,45 367.51,47 483,296 362,298 426.51,298 592.33,497 594.33,553.49 812.38,1170.46 876.89,1170.46 755.89,1172.46 1814,1391.9 1878.51,1391.9 1757.51,1393.9
REGOUT: C10.2 U3.10 | length 483
  Top Layer w5: C10.2 547,696.62 547,890.27 601.34,944.61 U3.10
VDDCORE: C3.2 U1.43 | length 310.8
  Top Layer w7: C3.2 1195.25,1118.91 1185,1108.66 1185,1103.56 U1.43
VIN: AMS1.3 C6.2 F1.2 JP4.1 | length 2019.2
  Top Layer w15: F1.2 861.25,90.48 v5(918,90.48)
  Top Layer w20: JP4.1 95,601 140,646 290,646 ; AMS1.3 366.77,359 290,435.77 290,646 ; C6.2 379.11,646 290,646
  Bottom Layer w15: JP4.1 90,557.48 90,222.48 222,90.48 v5(918,90.48)
pads on no net: J1.ID JP3. U3.2 U3.3 U3.4 U3.5 U3.6 U3.7 U3.14 U3.15 U3.16 U3.17 U3.19 U3.21 U3.25 U5.7 U5.8 U5.9 U5.11 U5.13 U5.14
copper on no net:
  other v2: 2067,102.48 2067,1341.48

## Polygon pours and split planes (outlines as drawn)
PGND on Bottom Layer "Bottom Layer-PGND" (solid, pour order 8): 0,1437.48 -1,1436.48 -1,1 2137.52,1 2175,38.48 2175,1405.48 2142.48,1438 2142,1438
PGND on Top Layer "Top Layer-PGND" (solid, pour order 10): 0,1437.48 0,1 0.08,1.08 2138.08,1.08 2175,38 2175,1406 2174.48,1406 2143,1437.48

## Keep-outs
Keep-Out Layer:
  lines w5: 0,0 0,62.48 0,1437.48 2143,1437.48 2175,1405.48 2175,187.48 2175,38.48 2137.6,1.09 2032.26,0 0,0

## Silkscreen, mask and mechanical layers (free items; w line width, h text height)
Top Overlay:
  circle w10: c351,28.48 r5
  circle w15: c415,59.48 r7
  circle w10: c909.98,1067.48 r15.3
  circle w10: c910.23,850.48 r15.3
  region: 342,78.48 342,100.48 320,100.48 320,78.48
  region: 305,41.48 305,77.48 273,59.48
  region: 845.98,1047.48 845.98,1086.48 826.48,1066.98
  region: 890.48,1132.48 929.48,1132.48 909.98,1151.98
  region: 890.73,915.48 929.73,915.48 910.23,934.98
  region: 846.23,830.48 846.23,869.48 826.73,849.98
  region: 1458,410.21 1478,410.21 1470,393.21 1449,393.21
  region: 1527,393.21 1500,440.21 1475,393.21
  region: 1514.41,517.34 1503,495.48 1557.69,393.21 1569.65,414.79
  region: 1443,393.21 1432.09,414.07 1489.32,523.71 1511,523.71
  lines w5: 325,89.48 343,89.48 ; 844.98,1067.48 893.98,1067.48 ; 845.23,850.48 894.23,850.48 ; 909.98,1087.48 909.98,1132.48 ; 910.23,870.48 910.23,915.48
  lines w7: 305,59.48 415,59.48 ; 343,89.48 cw(c343,75) 353.24,85.24 379,59.48 ; 361,28.48 ccw(c361,42.97) 371.24,32.72 397,58.48
  text "x" at 860.98,1107.48 h15
  text "z" at 949.98,1057.23 h15
  text "y" at 855.27,1023.48 h15
  text "A-G" at 920.27,980.48 h15
  text "y" at 878,895 h15
  text "z" at 927,811.48 h15
  text "x" at 855.23,802.8 h15
  text "MAG" at 872,780.48 h15
  text "ALPHA" at 1469.89,357.48 h15

## Text inside footprints (layer, text, board x,y; h text height)
U5: Top Overlay "*" at 894,625.4 h73.82 r180